# KiCad board Hub.kicad_pcb
title: Telemetry System; date: 2025-05-19; rev: A; company: BCIT BAJA DATA AQUISITION; note: Parry and Daniel
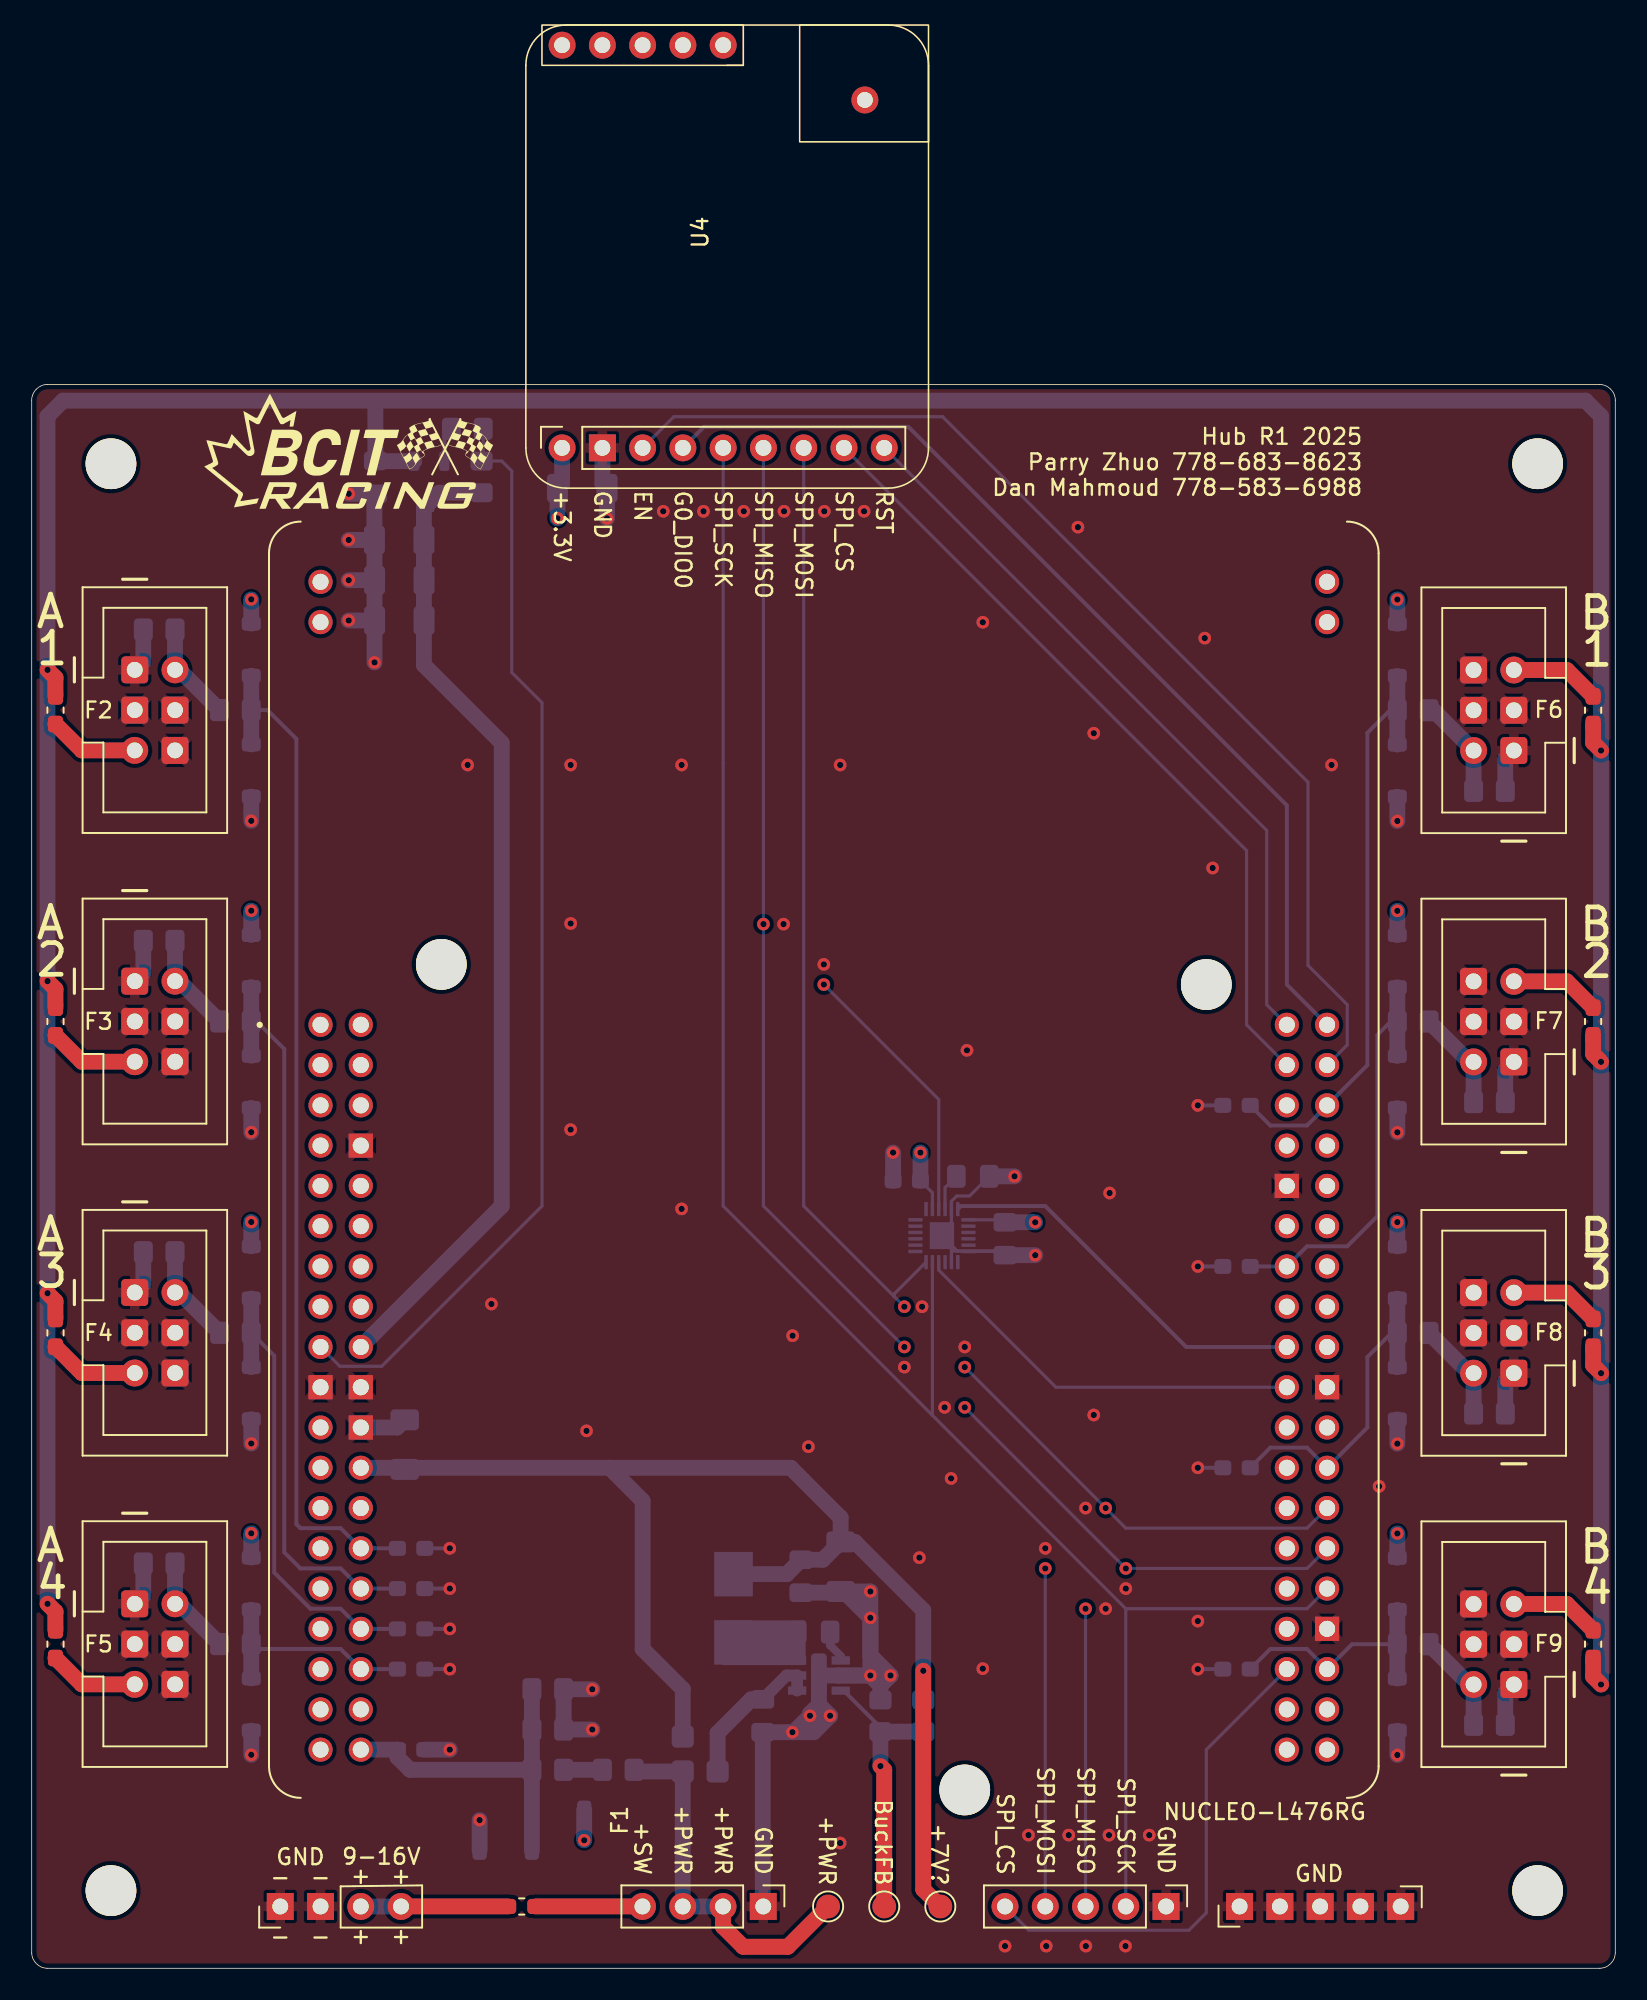
[diagram p0: board, top side]
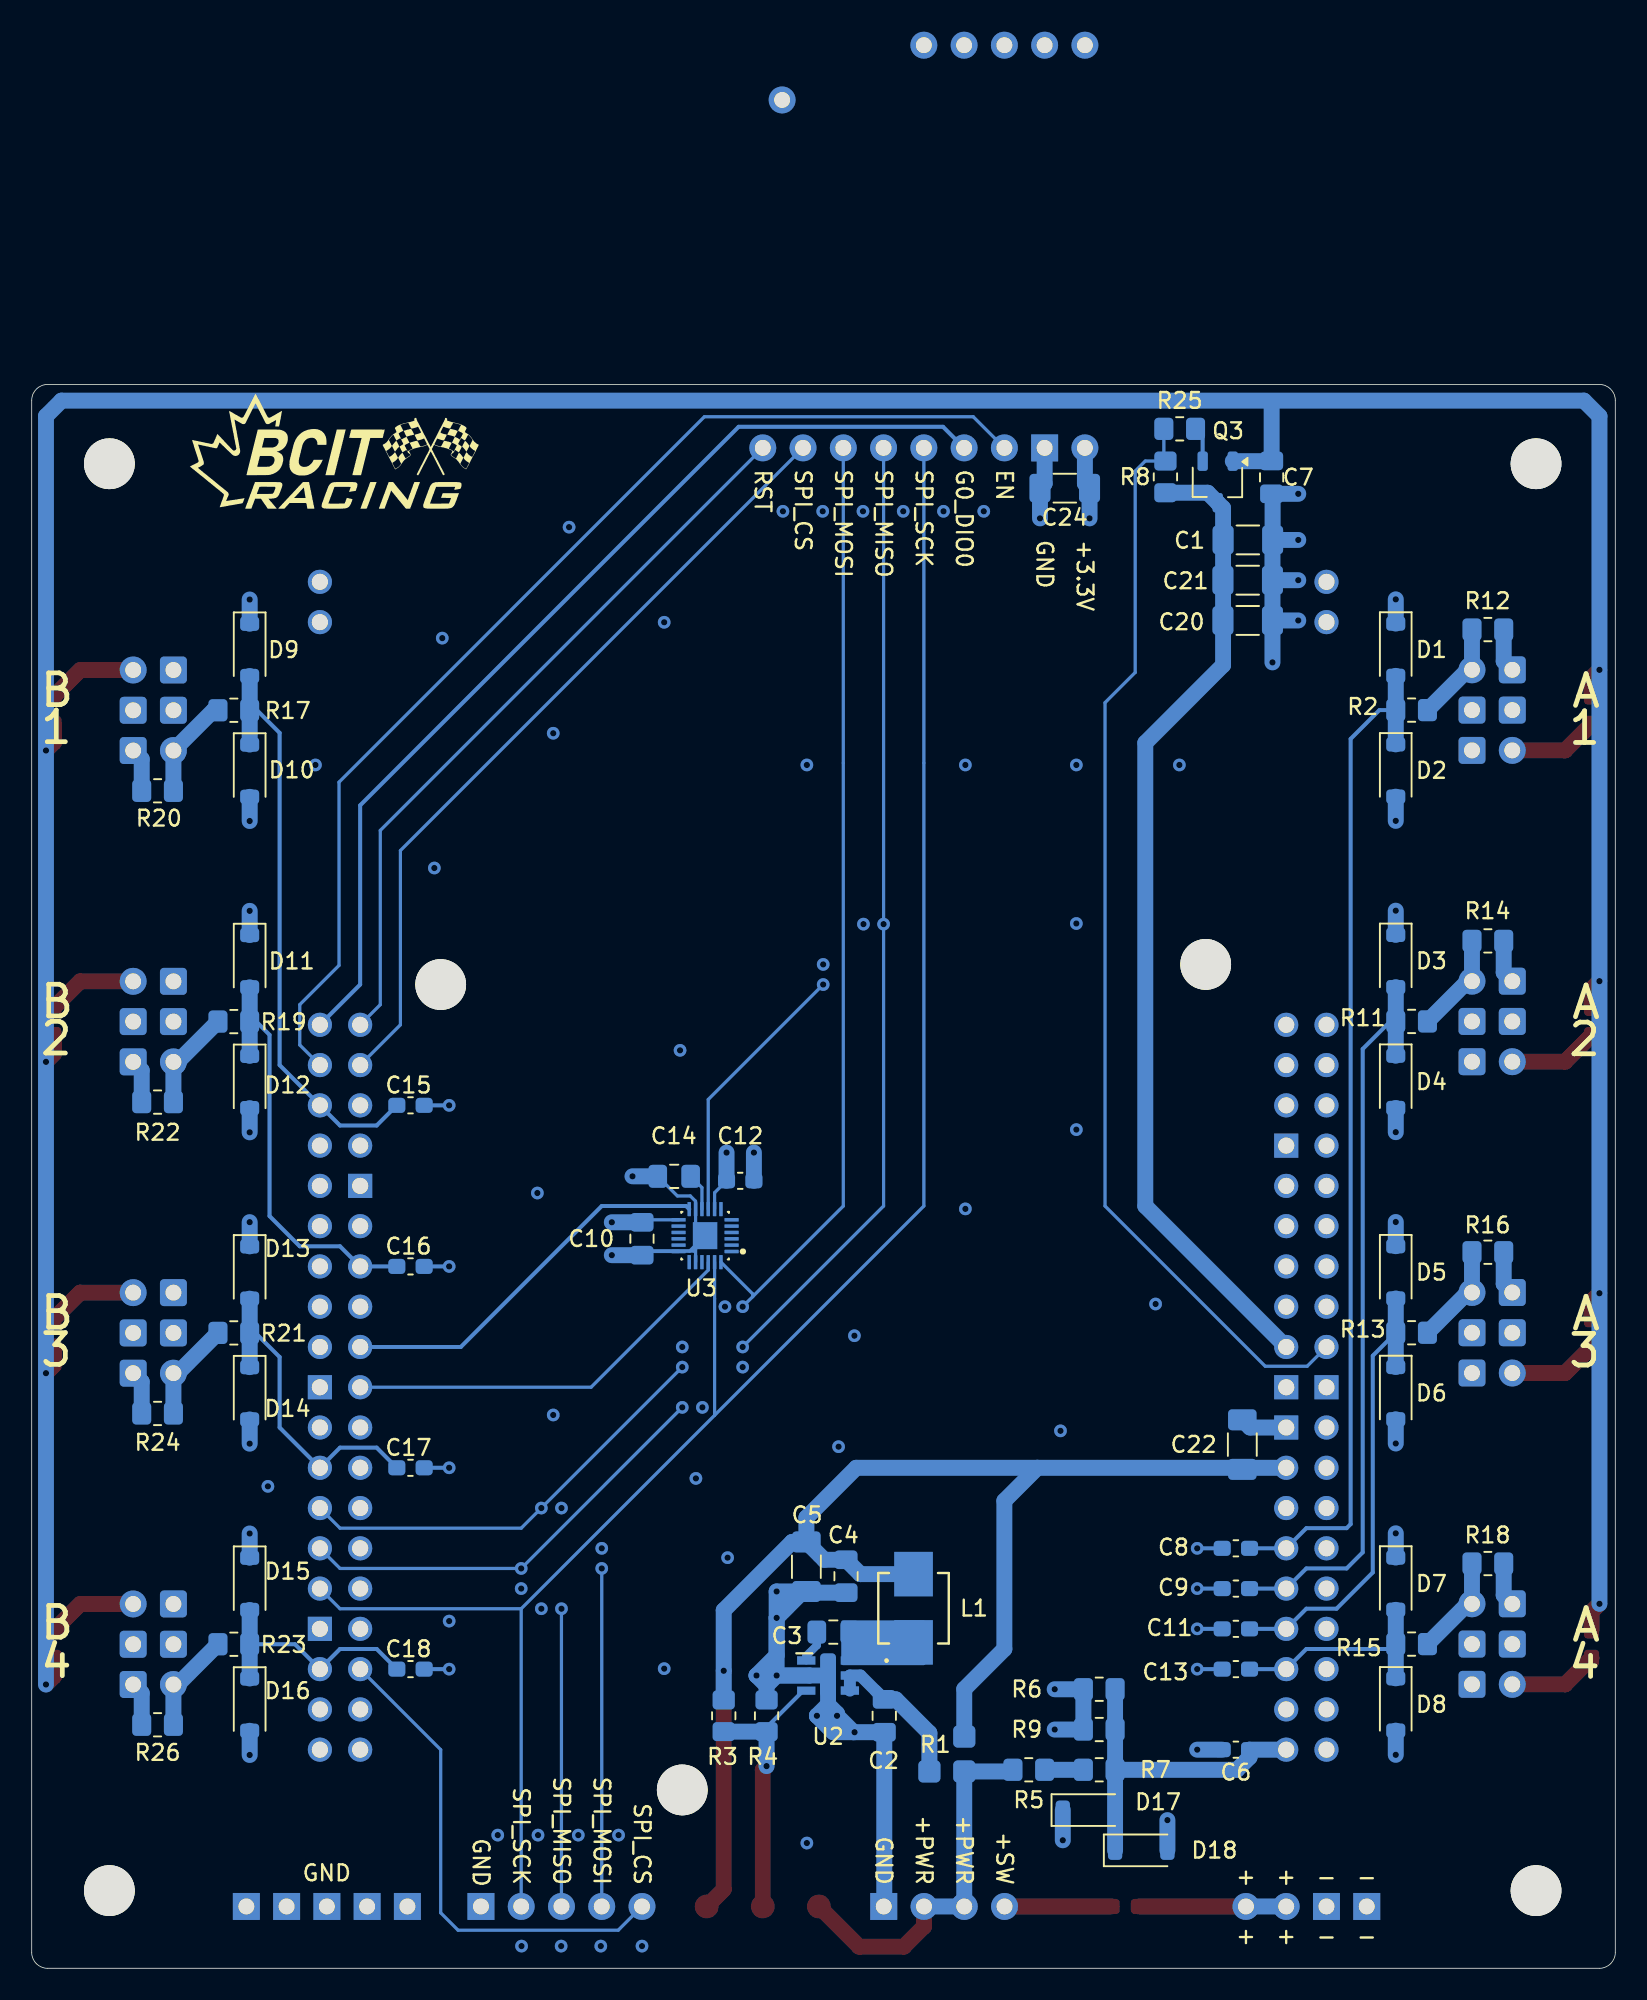
[diagram p1: board, bottom side, seen from below]

Outline 99.9 x 99.9 mm; copper layers: Top, In1.Cu (plane), In2.Cu (plane), Bottom. Coordinates in mm from the lower left corner of the outline.
Outline path: 0,98.9 0,1 arc(0.29,0.29) 1,0 98.9,0 arc(99.61,0.29) 99.9,1 99.9,98.9 arc(99.61,99.61) 98.9,99.9 1,99.9 arc(0.29,99.61) 0,98.9
Stack: Top 0.0175mm / dielectric 0.196mm 7628 er 4.74 / In1.Cu 0.035mm / dielectric 1.03mm FR4 er 4.6 / In2.Cu 0.035mm / dielectric 0.196mm 7628 er 4.74 / Bottom 0.0175mm

## Placement (name value [footprint] x y rotation side)
C1  22uF ±10%  [C_1206_3216Metric_Pad1.33x1.80mm_HandSolder]  23.18 90.09 180 bottom
C2  1uF, X7R  [C_0805_2012Metric_Pad1.18x1.45mm_HandSolder]  46.12 15.93 270 bottom
C3  0.1uF ±10%, X7R  [C_0805_2012Metric_Pad1.18x1.45mm_HandSolder]  49.33 21.21 180 bottom
C4  1uF, X7R  [C_0805_2012Metric_Pad1.18x1.45mm_HandSolder]  48.53 24.73 270 bottom
C5  10uF, X7R  [C_1206_3216Metric_Pad1.33x1.80mm_HandSolder]  51.03 25.33 270 bottom
C6  6.8nF ±10%  [C_0603_1608Metric_Pad1.08x0.95mm_HandSolder]  23.94 13.79 0 bottom
C7  0.1uF ±10%, X7R  [C_0805_2012Metric_Pad1.18x1.45mm_HandSolder]  21.68 94.04 270 bottom
C8  6.8nF ±10%  [C_0603_1608Metric_Pad1.08x0.95mm_HandSolder]  23.94 26.49 0 bottom
C9  6.8nF ±10%  [C_0603_1608Metric_Pad1.08x0.95mm_HandSolder]  23.94 23.95 0 bottom
C10  0.1uF ±10%, X7R  [C_0805_2012Metric_Pad1.18x1.45mm_HandSolder]  61.4 46.02 270 bottom
C11  6.8nF ±10%  [C_0603_1608Metric_Pad1.08x0.95mm_HandSolder]  23.94 21.41 0 bottom
C12  10nF ±10%, Ceramic, X7R, >4V  [C_0603_1608Metric_Pad1.08x0.95mm_HandSolder]  55.2 49.67 180 bottom
C13  6.8nF ±10%  [C_0603_1608Metric_Pad1.08x0.95mm_HandSolder]  23.94 18.87 0 bottom
C14  0.1uF ±10%, X7R  [C_0805_2012Metric_Pad1.18x1.45mm_HandSolder]  59.37 49.95 180 bottom
C15  6.8nF ±10%  [C_0603_1608Metric_Pad1.08x0.95mm_HandSolder]  76 54.43 180 bottom
C16  6.8nF ±10%  [C_0603_1608Metric_Pad1.08x0.95mm_HandSolder]  76 44.27 180 bottom
C17  6.8nF ±10%  [C_0603_1608Metric_Pad1.08x0.95mm_HandSolder]  76 31.57 180 bottom
C18  6.8nF ±10%  [C_0603_1608Metric_Pad1.08x0.95mm_HandSolder]  76 18.87 180 bottom
C20  22uF ±10%  [C_1206_3216Metric_Pad1.33x1.80mm_HandSolder]  23.19 85.01 180 bottom
C21  22uF ±10%  [C_1206_3216Metric_Pad1.33x1.80mm_HandSolder]  23.19 87.55 180 bottom
C22  22uF ±10%  [C_1206_3216Metric_Pad1.33x1.80mm_HandSolder]  23.53 33.03 90 bottom
C24  22uF ±10%  [C_1206_3216Metric_Pad1.33x1.80mm_HandSolder]  34.73 93.36 0 bottom
D1  D_Zener_Small  [D_SOD-123]  13.85 83.17 270 bottom
D2  D_Zener_Small  [D_SOD-123]  13.85 75.55 270 bottom
D3  D_Zener_Small  [D_SOD-123]  13.85 63.53 270 bottom
D4  D_Zener_Small  [D_SOD-123]  13.85 55.91 270 bottom
D5  D_Zener_Small  [D_SOD-123]  13.85 43.9 270 bottom
D6  D_Zener_Small  [D_SOD-123]  13.85 36.28 270 bottom
D7  D_Zener_Small  [D_SOD-123]  13.85 24.26 270 bottom
D8  D_Zener_Small  [D_SOD-123]  13.85 16.64 270 bottom
D9  D_Zener_Small  [D_SOD-123]  86.15 83.16 270 bottom
D10  D_Zener_Small  [D_SOD-123]  86.15 75.54 270 bottom
D11  D_Zener_Small  [D_SOD-123]  86.15 63.52 270 bottom
D12  D_Zener_Small  [D_SOD-123]  86.15 55.9 270 bottom
D13  D_Zener_Small  [D_SOD-123]  86.15 43.89 270 bottom
D14  D_Zener_Small  [D_SOD-123]  86.15 36.27 270 bottom
D15  D_Zener_Small  [D_SOD-123]  86.15 24.25 270 bottom
D16  D_Zener_Small  [D_SOD-123]  86.15 16.63 270 bottom
D17  D_Zener_Small  [D_SOD-123]  33.21 9.98 180 bottom
D18  D_Zener_Small  [D_SOD-123]  29.91 7.44 180 bottom
F1  FAST-BLOW 375mA 32V 0.45Ω  [Fuse_0603_1608Metric_Pad1.05x0.95mm_HandSolder]  30.91 3.9 0 top
F2  70mA 5s Fusing, 7.5 Ohms  [Fuse_0603_1608Metric_Pad1.05x0.95mm_HandSolder]  1.5 79.36 270 top
F3  70mA 5s Fusing, 7.5 Ohms  [Fuse_0603_1608Metric_Pad1.05x0.95mm_HandSolder]  1.5 59.72 270 top
F4  70mA 5s Fusing, 7.5 Ohms  [Fuse_0603_1608Metric_Pad1.05x0.95mm_HandSolder]  1.5 40.08 270 top
F5  70mA 5s Fusing, 7.5 Ohms  [Fuse_0603_1608Metric_Pad1.05x0.95mm_HandSolder]  1.5 20.45 270 top
F6  70mA 5s Fusing, 7.5 Ohms  [Fuse_0603_1608Metric_Pad1.05x0.95mm_HandSolder]  98.5 79.36 90 top
F7  70mA 5s Fusing, 7.5 Ohms  [Fuse_0603_1608Metric_Pad1.05x0.95mm_HandSolder]  98.5 59.72 90 top
F8  70mA 5s Fusing, 7.5 Ohms  [Fuse_0603_1608Metric_Pad1.05x0.95mm_HandSolder]  98.5 40.08 90 top
F9  70mA 5s Fusing, 7.5 Ohms  [Fuse_0603_1608Metric_Pad1.05x0.95mm_HandSolder]  98.5 20.45 90 top
G***  LOGO  [BCIT-Racing-Logo_20mm_8mm8]  20.35 95.7 0 top
G***#2  LOGO  [BCIT-Racing-Logo_20mm_8mm8]  80.45 95.71 180 bottom
H1  MountingHole  [MountingHole_3.2mm_M3]  5 4.9 0 top
H2  MountingHole  [MountingHole_3.2mm_M3]  5 94.9 0 top
H3  MountingHole  [MountingHole_3.2mm_M3]  95 94.9 0 top
H4  MountingHole  [MountingHole_3.2mm_M3]  95 4.9 0 top
J3  Conn_01x04  [BatterySwitch_PinHeader_1x04_P2.54mm_Vertical]  46.15 3.9 270 top
J4  Conn_01x05  [SPIExtra_PinHeader_1x05_P2.54mm_Vertical]  71.56 3.9 270 top
J5  Conn_01x05  [GND_PinHeader_1x05_P2.54mm_Vertical]  86.36 3.9 270 top
J6  IDC 6Pin Male Header  [AdamTech_BHR-06-VUA]  6.5 81.9 0 top
J7  IDC 6Pin Male Header  [AdamTech_BHR-06-VUA]  6.5 62.26 0 top
J8  IDC 6Pin Male Header  [AdamTech_BHR-06-VUA]  6.5 42.63 0 top
J9  IDC 6Pin Male Header  [AdamTech_BHR-06-VUA]  6.5 22.99 0 top
J10  IDC 6Pin Male Header  [AdamTech_BHR-06-VUA]  93.5 76.81 180 top
J11  IDC 6Pin Male Header  [AdamTech_BHR-06-VUA]  93.5 57.17 180 top
J12  IDC 6Pin Male Header  [AdamTech_BHR-06-VUA]  93.5 37.54 180 top
J13  IDC 6Pin Male Header  [AdamTech_BHR-06-VUA]  93.5 17.9 180 top
J20  Conn_01x04  [Battery_PinHeader_1x04_P2.54mm_Vertical]  15.68 3.9 90 top
L1  150uH  [LQH44PH151MPRL_IND_LQH44PN_PR_MUR-M]  44.27 22.71 90 bottom
Q3  PMOS  [TSOT-23]  25.08 93.75 270 bottom
R1  0  [ZeroOhmSwitch_R_0805_2012Metric_Pad1.20x1.40mm_HandSolder]  41.07 12.42 0 bottom
R2  100 ±1%  [R_0805_2012Metric_Pad1.20x1.40mm_HandSolder]  12.85 79.36 180 bottom
R3  76.8K+- 1%, ±100ppm/°C  [R_0805_2012Metric_Pad1.20x1.40mm_HandSolder]  56.25 15.93 90 bottom
R4  10K +-1%, ±100ppm/°C  [R_0805_2012Metric_Pad1.20x1.40mm_HandSolder]  53.54 15.93 270 bottom
R5  10K ±1%  [R_0805_2012Metric_Pad1.20x1.40mm_HandSolder]  37 12.52 0 bottom
R6  10K ±1%  [R_0805_2012Metric_Pad1.20x1.40mm_HandSolder]  32.56 17.6 180 bottom
R7  10K ±1%  [R_0805_2012Metric_Pad1.20x1.40mm_HandSolder]  32.56 12.52 0 bottom
R8  10K ±1%  [R_0805_2012Metric_Pad1.20x1.40mm_HandSolder]  28.38 94.07 270 bottom
R9  10K ±1%  [R_0805_2012Metric_Pad1.20x1.40mm_HandSolder]  32.56 15.06 180 bottom
R11  100 ±1%  [R_0805_2012Metric_Pad1.20x1.40mm_HandSolder]  12.85 59.72 180 bottom
R12  1M ±1%  [R_0805_2012Metric_Pad1.20x1.40mm_HandSolder]  8.04 84.44 180 bottom
R13  100 ±1%  [R_0805_2012Metric_Pad1.20x1.40mm_HandSolder]  12.85 40.09 180 bottom
R14  1M ±1%  [R_0805_2012Metric_Pad1.20x1.40mm_HandSolder]  8.04 64.8 180 bottom
R15  100 ±1%  [R_0805_2012Metric_Pad1.20x1.40mm_HandSolder]  12.85 20.45 180 bottom
R16  1M ±1%  [R_0805_2012Metric_Pad1.20x1.40mm_HandSolder]  8.04 45.17 180 bottom
R17  100 ±1%  [R_0805_2012Metric_Pad1.20x1.40mm_HandSolder]  87.15 79.35 0 bottom
R18  1M ±1%  [R_0805_2012Metric_Pad1.20x1.40mm_HandSolder]  8.04 25.53 180 bottom
R19  100 ±1%  [R_0805_2012Metric_Pad1.20x1.40mm_HandSolder]  87.15 59.71 0 bottom
R20  1M ±1%  [R_0805_2012Metric_Pad1.20x1.40mm_HandSolder]  91.96 74.27 0 bottom
R21  100 ±1%  [R_0805_2012Metric_Pad1.20x1.40mm_HandSolder]  87.15 40.08 0 bottom
R22  1M ±1%  [R_0805_2012Metric_Pad1.20x1.40mm_HandSolder]  91.96 54.63 0 bottom
R23  100 ±1%  [R_0805_2012Metric_Pad1.20x1.40mm_HandSolder]  87.15 20.44 0 bottom
R24  1M ±1%  [R_0805_2012Metric_Pad1.20x1.40mm_HandSolder]  91.96 35 0 bottom
R25  10K ±1%  [R_0805_2012Metric_Pad1.20x1.40mm_HandSolder]  27.48 97.1 0 bottom
R26  1M ±1%  [R_0805_2012Metric_Pad1.20x1.40mm_HandSolder]  91.96 15.36 0 bottom
TP1  TestPoint  [TestPoint_Pad_D1.5mm]  50.24 3.9 0 top
TP2  TestPoint  [TestPoint_Pad_D1.5mm]  53.78 3.9 0 top
TP4  TestPoint  [TestPoint_Pad_D1.5mm]  57.32 3.9 0 top
U1  NUCLEO-L476RG  [MODULE_NUCLEO-L476RG]  18.22 59.51 0 top
U2  LMR51603XFDBVR  [LMR51603XFDBVR_DBV0006A-MFG-IPC_C]  49.66 18.47 180 bottom
U3  MPU-6500  [MPU-6500_QFN40P300X300X95-25N]  57.42 46.21 0 bottom
U4  Adafruit 3070  [Adafruit3070]  33.46 95.9 90 top

## Library data of the parts
C1 C20-C22 C24 = -: Datasheet: https://mm.digikey.com/Volume0/opasdata/d220001/medias/docus/658/CL31A226KAHNNNE_Spec.pdf; Description: CAP CER 22UF 25V X5R 1206; Manufacturer Part Number: CL31A226KAHNNNE; Detailed Description: 22 µF ±10% 25V Ceramic Capacitor X5R 1206 (3216 Metric); Manufacturer: Samsung Electro-Mechanics; Package: 1206 (3216 Metric); DigiKey Link: https://www.digikey.ca/en/products/detail/samsung-electro-mechanics/CL31A226KAHNNNE/3888705; DigiKey Part Number: 1276-3047-1-ND; Mouser Link: https://www.mouser.ca/ProductDetail/Samsung-Electro-Mechanics/CL31A226KAHNNNE?qs=X6jEic%2FHinCdwsjGJII51w%3D%3D; Mouser Part Number: 187-CL31A226KAHNNNE; ki_fp_filters: C_*
C2 C4 = -: Datasheet: https://mm.digikey.com/Volume0/opasdata/d220001/medias/docus/609/CL21B105KBFNNNE_Spec.pdf; Description: CAP CER 1UF 50V X7R 0805; Manufacturer: Samsung Electro-Mechanics; Manufacturer Part Number: CL21B105KBFNNNE; Detailed Description: 1 µF ±10% 50V Ceramic Capacitor X7R 0805 (2012 Metric); Package: 0805 (2012 Metric); DigiKey Link: https://www.digikey.ca/en/products/detail/samsung-electro-mechanics/CL21B105KBFNNNE/3886687; DigiKey Part Number: 1276-1029-1-ND; Mouser Link: https://www.mouser.ca/ProductDetail/Samsung-Electro-Mechanics/CL21B105KBFNNNE?qs=yOVawPpwOwmddQEBPU6Y9A%3D%3D; Mouser Part Number: 187-CL21B105KBFNNNE; ki_fp_filters: C_*
C3 C7 = -: Datasheet: https://mm.digikey.com/Volume0/opasdata/d220001/medias/docus/893/CL21B104KCFNNNE_Spec.pdf; Description: CAP CER 0.1UF 100V X7R 0805; Manufacturer Part Number: CL21B104KCFNNNE; Manufacturer: Samsung Electro-Mechanics; Detailed Description: 0.1 µF ±10% 100V Ceramic Capacitor X7R 0805 (2012 Metric); Package: 0805 (2012 Metric); DigiKey Link: https://www.digikey.ca/en/products/detail/samsung-electro-mechanics/CL21B104KCFNNNE/5961324; DigiKey Part Number: 1276-6840-1-ND; Mouser Link: https://www.mouser.ca/ProductDetail/Samsung-Electro-Mechanics/CL21B104KCFNNNE?qs=lptGheUA4EwiEGVRX9oguw%3D%3D; Mouser Part Number: 187-CL21B104KCFNNNE; ki_fp_filters: C_*
C5 = -: Datasheet: https://mm.digikey.com/Volume0/opasdata/d220001/medias/docus/658/CL31B106KAHNNNE_Spec.pdf; Description: CAP CER 10UF 25V X7R 1206; Manufacturer: Samsung Electro-Mechanics; Manufacturer Part Number: CL31B106KAHNNNE; Detailed Description: 10 µF ±10% 25V Ceramic Capacitor X7R 1206 (3216 Metric); Package: 1206 (3216 Metric); DigiKey Link: https://www.digikey.ca/en/products/detail/samsung-electro-mechanics/CL31B106KAHNNNE/3887462; DigiKey Part Number: 1276-1804-1-ND; Mouser Link: https://www.mouser.ca/ProductDetail/Samsung-Electro-Mechanics/CL31B106KAHNNNE?qs=349EhDEZ59r5EZhnLOTsYA%3D%3D; Mouser Part Number: 187-CL31B106KAHNNNE; ki_fp_filters: C_*
C6 C8 C9 C11 C13 C15-C18 = -: Datasheet: https://www.mouser.ca/datasheet/2/585/MLCC-1837944.pdf; Description: 6.8nF+/-10% 50V X7R 0603; Manufacturer Part Number: CL10B682KB8NNNC; Manufacturer: Samsung Electro-Mechanics; Detailed Description: Multilayer Ceramic Capacitors MLCC - SMD/SMT 6.8nF+/-10% 50V X7R 0603; Package: 0603 (1608 metric); DigiKey Link: https://www.digikey.ca/en/products/detail/samsung-electro-mechanics/CL10B682KB8NNNC/3886843?s=N4IgTCBcDaIMIBkCMAGAQgNgBxgNJqwDli4QBdAXyA; DigiKey Part Number: 1276-1185-2-ND; Mouser Link: https://mou.sr/3J8ffq3; Mouser Part Number: 187-CL10B682KB8NNNC; ki_fp_filters: C_*
C10 C14 = -: Datasheet: https://mm.digikey.com/Volume0/opasdata/d220001/medias/docus/893/CL21B104KCFNNNE_Spec.pdf; Description: CAP CER 0.1UF 100V X7R 0805; Detailed Description: 0.1 µF ±10% 100V Ceramic Capacitor X7R 0805 (2012 Metric); Manufacturer: Samsung Electro-Mechanics; Manufacturer Part Number: CL21B104KCFNNNE; Package: 0805 (2012 Metric); DigiKey Link: https://www.digikey.ca/en/products/detail/samsung-electro-mechanics/CL21B104KCFNNNE/5961324; DigiKey Part Number: 1276-6840-1-ND; Mouser Link: https://www.mouser.ca/ProductDetail/Samsung-Electro-Mechanics/CL21B104KCFNNNE?qs=lptGheUA4EwiEGVRX9oguw%3D%3D; Mouser Part Number: 187-CL21B104KCFNNNE; ki_fp_filters: C_*
C12 = -: Datasheet: https://weblib.samsungsem.com/mlcc/mlcc-ec-data-sheet.do?partNumber=CL10B103KB8WPN; Description: CAP CER 10000PF 50V X7R 0603; Detailed Description: 10000 pF ±10% 50V Ceramic Capacitor X7R 0603 (1608 Metric); Manufacturer: Samsung Electro-Mechanics; Manufacturer Part Number: CL10B103KB8WPND; Package: 0603 (1608 Metric); DigiKey Link: https://www.digikey.ca/en/products/detail/samsung-electro-mechanics/CL10B103KB8WPND/11487754; DigiKey Part Number: 1276-CL10B103KB8WPNDCT-ND; Mouser Link: https://www.mouser.ca/ProductDetail/Samsung-Electro-Mechanics/CL10B103KB8WPND?qs=8FiHyeu39FI5MnD%252B2s5YlA%3D%3D; Mouser Part Number: 187-CL10B103KB8WPND; ki_fp_filters: C_*
D1 D17 = -: Datasheet: https://www.diodes.com/datasheet/download/DDZ96xx-DDZ97xx.pdf; Description: DIODE ZENER 3.3V 500MW SOD123; Manufacturer: Diodes Incorporated; Detailed Description: Zener Diode 3.3 V 500 mW ±5% Surface Mount SOD-123; Manufacturer Part Number: DDZ9684-7; Package: SOD-123; DigiKey Link: https://www.digikey.ca/en/products/detail/diodes-incorporated/DDZ9684-7/1934818; DigiKey Part Number: DDZ9684-7DITR-ND; Mouser Link: https://www.mouser.ca/ProductDetail/Diodes-Incorporated/DDZ9684-7?qs=mQbszxtPdlN5OVpmKRGZYw%3D%3D; Mouser Part Number: 621-DDZ9684-7; ki_fp_filters: TO-???* *_Diode_* *SingleDiode* D_*
D2-D16 D18 = -: Datasheet: https://www.diodes.com/datasheet/download/DDZ96xx-DDZ97xx.pdf; Description: DIODE ZENER 3.3V 500MW SOD123; Manufacturer: Diodes Incorporated; Manufacturer Part Number: DDZ9684-7; Detailed Description: Zener Diode 3.3 V 500 mW ±5% Surface Mount SOD-123; Package: SOD-123; DigiKey Link: https://www.digikey.ca/en/products/detail/diodes-incorporated/DDZ9684-7/1934818; DigiKey Part Number: DDZ9684-7DITR-ND; Mouser Link: https://www.mouser.ca/ProductDetail/Diodes-Incorporated/DDZ9684-7?qs=mQbszxtPdlN5OVpmKRGZYw%3D%3D; Mouser Part Number: 621-DDZ9684-7; ki_fp_filters: TO-???* *_Diode_* *SingleDiode* D_*
F1 = -: Datasheet: https://datasheets.kyocera-avx.com/AccuGuard2.pdf; Description: FUSE BOARD MNT 375MA 32VDC 0603; Detailed Description: 375 mA 32 V Fuse Board Mount (Cartridge Style Excluded) Surface Mount 0603 (1608 Metric); Manufacturer: KYOCERA AVX; Manufacturer Part Number: F0603E0R37FSTR; Package: 0603 (1608 Metric); DigiKey Link: https://www.digikey.ca/en/products/detail/kyocera-avx/F0603E0R37FSTR/768542; DigiKey Part Number: 478-2859-1-ND; Mouser Link: https://www.mouser.ca/ProductDetail/KYOCERA-AVX/F0603E0R37FSTR?qs=vco6xy%252BeH1oeD3dI3xk78w%3D%3D; Mouser Part Number: 581-F0603E0R37FSTR; Qty Multiplier: 2; ki_fp_filters: *Fuse*